# Altium PCB WUT-4-3-3.PcbDoc (part 4 of 4)
Units mil, origin at the board's own origin, x right, y up, seen from the top; angles counter-clockwise.
Board outline 3346.46 x 2204.72 mil, 4 copper layers (Top Layer, GND Plane, 3V3 Plane, Bottom Layer), stack 30.635 mil thick; 241 components, 333 nets, 1194 pads, 457 vias.
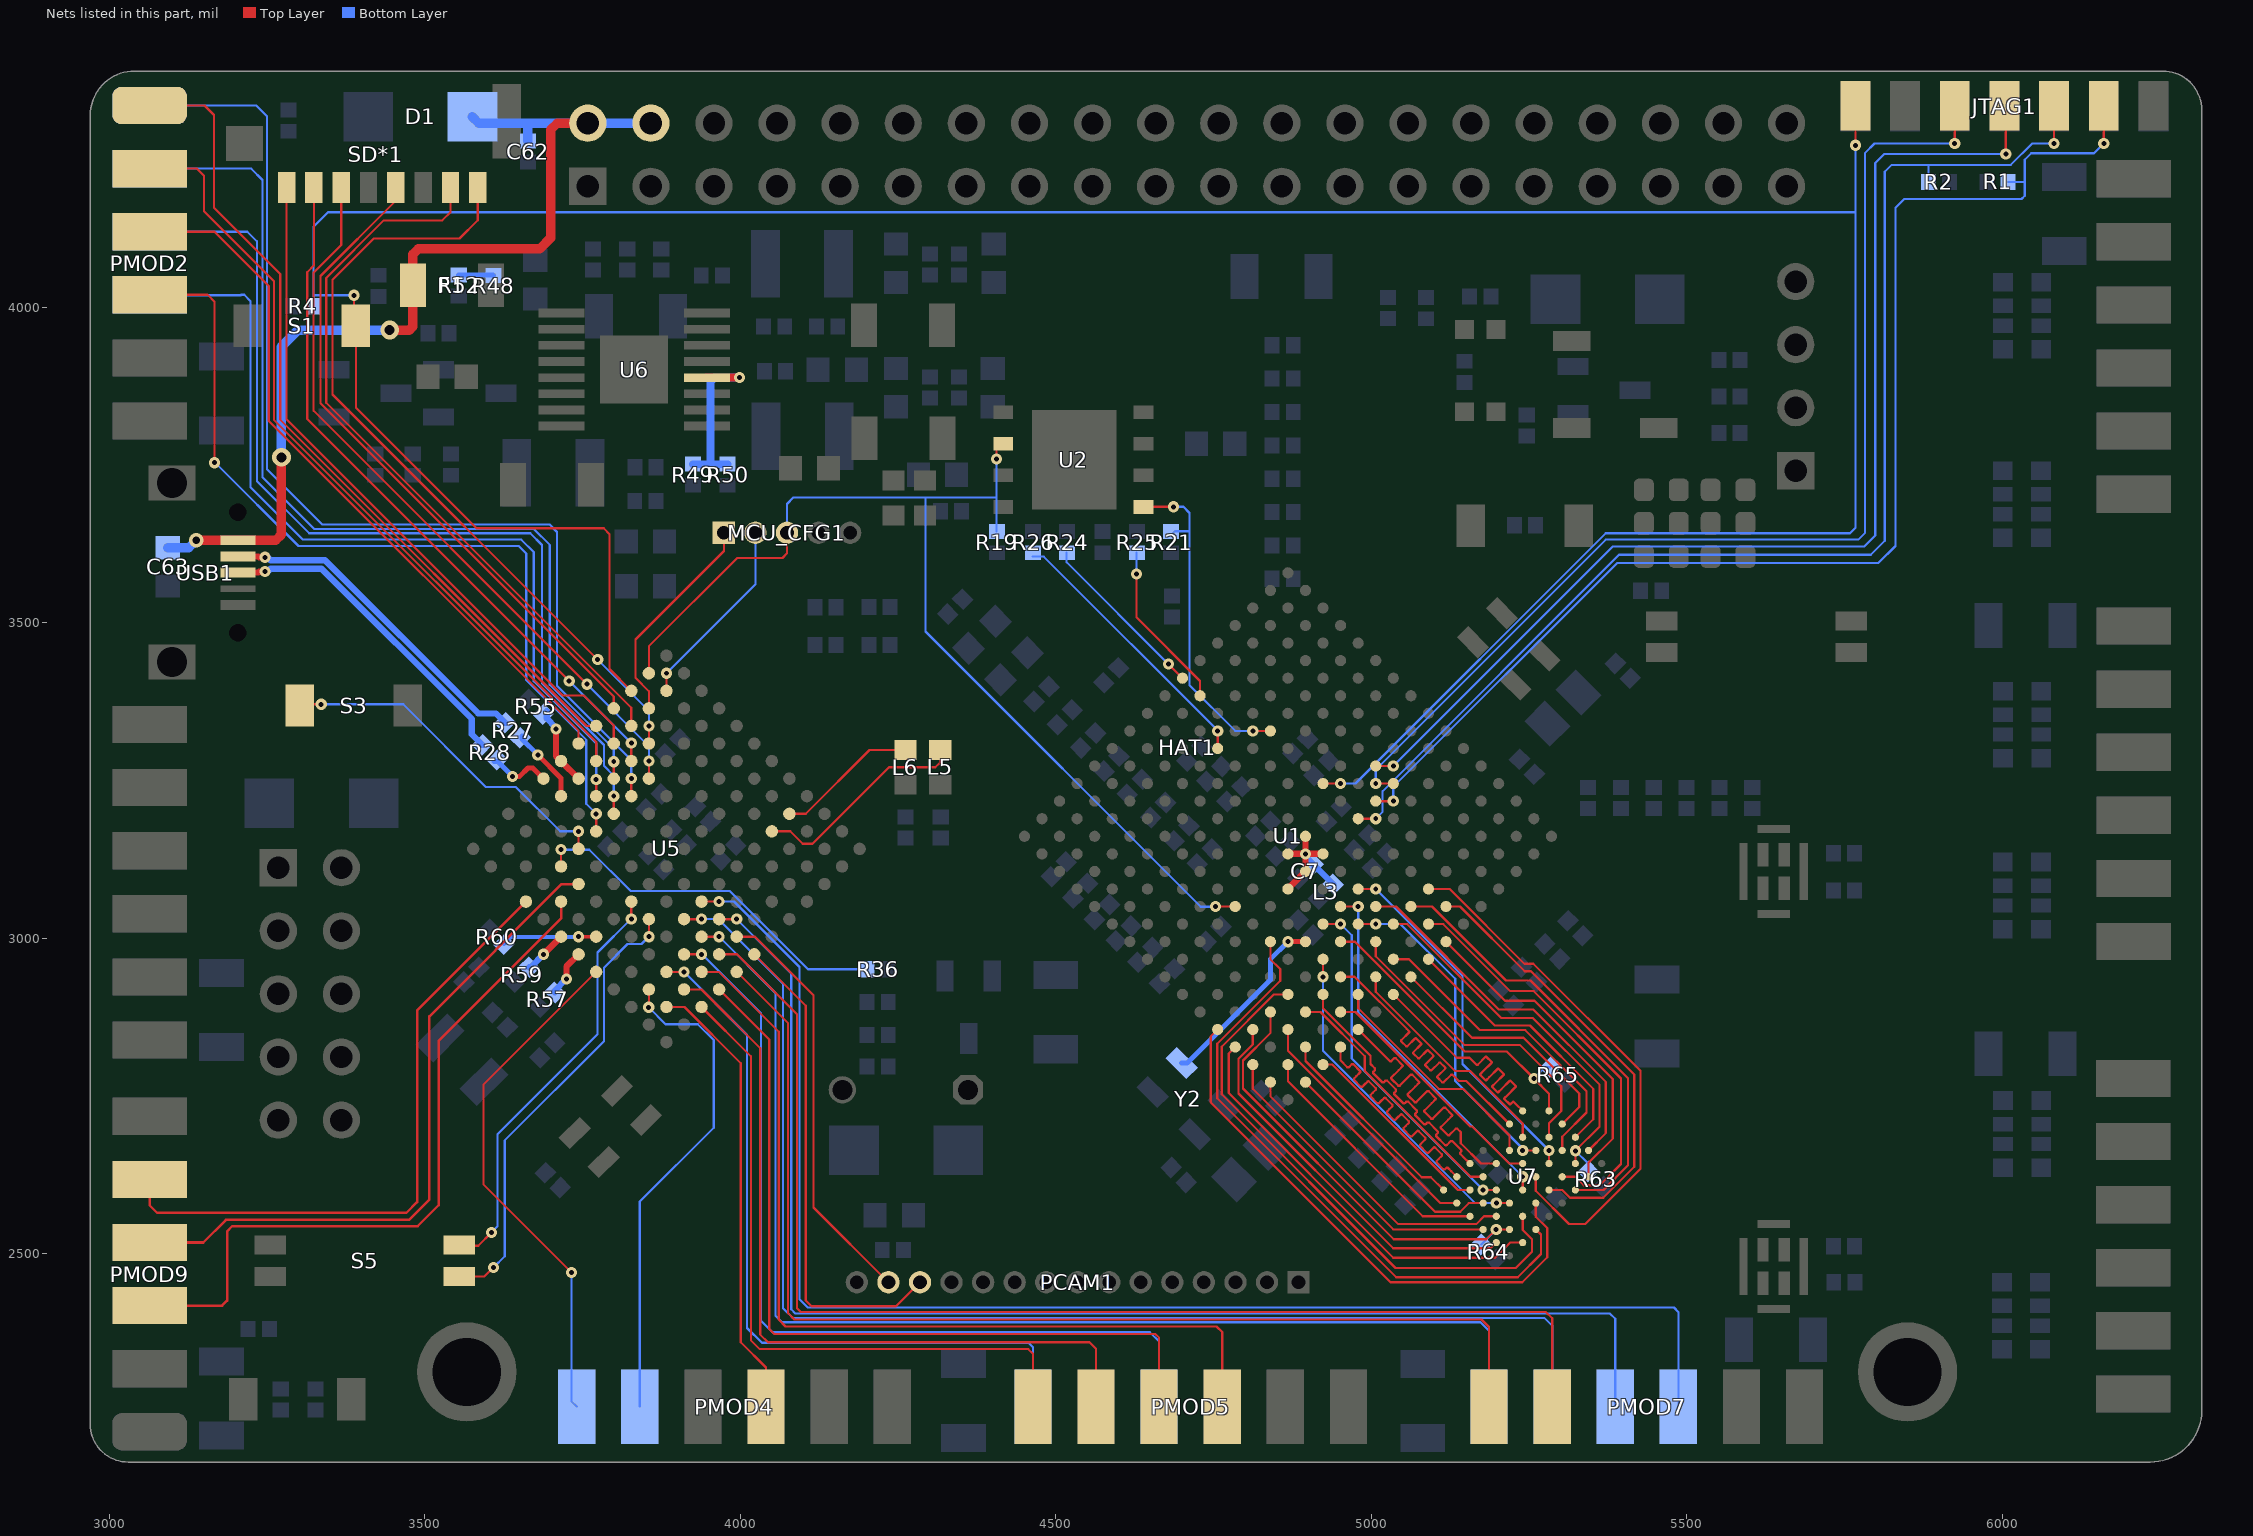
[diagram p6: the nets of this part, all layers, seen from the top]

## Via types
v1: diameter 17.72, hole 7.87, Top Layer to Bottom Layer, tented both sides, 363 vias
v2: diameter 29.53, hole 15.75, Top Layer to Bottom Layer, tented both sides, 51 vias
v3: diameter 19.68, hole 7.87, Top Layer to Bottom Layer, 16 vias
v4: diameter 23.62, hole 11.81, Top Layer to Bottom Layer, tented both sides, 11 vias
v5: diameter 19.68, hole 7.87, Top Layer to Bottom Layer, tented both sides, 9 vias
v6: diameter 25.59, hole 13.78, Top Layer to Bottom Layer, tented both sides, 3 vias
v7: diameter 25.59, hole 11.81, Top Layer to Bottom Layer, tented both sides, 2 vias
v8: diameter 21.65, hole 11.81, Top Layer to Bottom Layer, tented both sides, 1 vias
v9: diameter 27.56, hole 13.78, Top Layer to Bottom Layer, tented both sides, 1 vias

## Nets (pads, with @x,y where several pads share a name; then routed paths per layer and width w, separated by ;. In a path a pad name is that pad's centre, name@x,y a point inside that pad or via, vN(x,y) a via of type N, cw(c..) or ccw(c..) an arc to the next point about the centre after c; other vN are vias at no path point) (continued)
NetR48_1: R48.1 R52.2 | length 55.4
  Bottom Layer w8: R52.2@3554,4051.73 3608,4051.73 R48.1@3609,4050.73
NetR55_2: R55.2 U5.G1 U5.G2 | length 127.8
  Top Layer w10: v1(3708,3332) 3708,3289.16 U5.G1@3716.13,3281.03 U5.G2@3743.97,3253.19
  Bottom Layer w10: R55.2@3693.34,3360.01 3693.34,3348.66 3708,3334 v1(3708,3332)
PGOOD: R49.1 R50.1 U6.12 | length 286
  Top Layer w12: U6.12@3947.16,3888.79 3947.37,3889 v1(3999,3889)
  Bottom Layer w12: R49.1@3925.17,3751.73 3953,3751.73 ; R50.1@3980.17,3751.73 3953,3751.73 ; v1(3999,3889) 3960.12,3889 3953,3881.88 3953,3751.73
PROG: JTAG1.14 R4.1 S1.2 U1.L9 U5.C1 | length 5251.1
  Top Layer w3.5: v1(3388,4019.26) 3388,3974 S1.2@3391,3971 3391,3841 3582,3650 3783.73,3650 3793,3640.73 3793,3426.87 U5.C1@3827.48,3392.39 ; U1.L9@4923.84,3245.36 v1(4951.68,3245.35) ; v1(5767.56,4257) JTAG1.14@5767.56,4319.54
  Bottom Layer w3.5: R4.1@3323.73,4002 3323.73,4020 ; v1(3388,4019.26) 3324.47,4019.26 3323.73,4020 ; v1(4951.68,3245.35) 4975.38,3245.35 5372.03,3642 5759,3642 5767.56,3650.56 5767.56,4150.92 ; v1(5767.56,4257) 5767.56,4151.44 5767.04,4150.92 3346.89,4150.92 3323.73,4127.76 3323.73,4020
PTA4: R60.1 U5.L7 | length 150.9
  Top Layer w4: v1@3744.48,3002 v1@3745.13,3002.64
  Top Layer w6: v1@3745.13,3002.64 U5.L7@3771.81,3002.64
  Bottom Layer w6: R60.1@3625.83,2990.81 3637.02,3002 v1@3744.48,3002
  other v1: 3743.97,3002.64
PTA5: PMOD4.12 U5.M8 | length 824.3
  Top Layer w3.5: v1(3732.5,2470.5) 3732.5,2471 3593,2610.5 3593,2768.16 U5.M8@3771.81,2946.97
  Bottom Layer w3.5: v1(3732.5,2470.5) 3732.5,2266.5 PMOD4.12@3741,2258
PTA6: S5.2 U5.J7 | length 678.7
  Top Layer w3.5: S5.2@3555,2506 3562,2513 3585,2513 v1(3606,2534) ; v1@3827.48,3031 U5.J7@3827.48,3058.32
  Bottom Layer w3.5: v1(3606,2534) 3615.56,2543.56 3615.56,2689.47 3774,2847.91 3774,2977.52 v1@3827.48,3031
  other v1: 3827.48,3030.48
PTA7: S5.1 U5.J8 | length 730.3
  Top Layer w3.5: S5.1@3555,2456 3563,2464 3594.5,2464 v1(3609,2478.5) ; v1(3855.32,3002.64) U5.J8@3855.32,3030.48
  Bottom Layer w3.5: v1(3609,2478.5) 3626.88,2496.38 3626.88,2679.88 3784.04,2837.04 3784.04,2953.43 3821.6,2991 3843.68,2991 v1(3855.32,3002.64)
PTA14: PMOD4.11 U5.L10 | length 781.9
  Top Layer w3.5: v1@3855.32,2891.09 U5.L10@3855.32,2919.13
  Bottom Layer w3.5: PMOD4.11@3841,2258 3841,2583 3958,2700 3958,2838.91 3932.91,2864 3881.77,2864 v1(3855,2890.77)
PTA15: PMOD4.3 U5.L11 | length 715.4
  Top Layer w3.5: U5.L11@3883.16,2891.29 3911.71,2891.29 4001,2802 4001,2360 4041,2320 PMOD4.3@4041,2258
PTA16: PMOD5.12 U5.K10 | length 1193.4
  Top Layer w3.5: U5.K10@3883.16,2946.97 v1(3911,2946.97)
  Bottom Layer w3.5: v1(3911,2946.97) 4011,2846.97 4011,2382.52 4034.52,2359 4457,2359 4464,2352 PMOD5.12@4464,2258
PTA17: PMOD5.5 U5.K11 | length 1246.5
  Top Layer w3.5: U5.K11@3911,2919.13 3938.87,2919.13 4032,2826 4032,2372 4044,2360 4553.7,2360 4564,2349.7 PMOD5.5@4564,2258
PTA24: PMOD5.6 U5.K12 | length 1100.1
  Top Layer w3.5: U5.K12@3938.84,2891.29 4017,2813.13 4017,2363 4031,2349 4456.5,2349 4464,2341.5 PMOD5.6@4464,2258
PTA25: PMOD5.4 U5.J12 | length 1303.8
  Top Layer w3.5: U5.J12@3966.68,2919.13 4046,2839.81 4046,2381 4054,2373 4658,2373 4664,2367 PMOD5.4@4664,2258
PTA26: PMOD5.3 U5.J11 | length 1446.9
  Top Layer w3.5: U5.J11@3938.84,2946.97 3966.26,2946.97 4061,2852.22 4061,2396 4072,2385 4755,2385 4764,2376 PMOD5.3@4764,2258
PTA27: PMOD5.10 U5.J10 | length 1395.3
  Top Layer w3.5: U5.J10@3911,2974.81 v1@3938.14,2974.81
  Bottom Layer w3.5: v1@3938.84,2975.5 4033,2881.34 4033,2394 4051.16,2375.84 4649.16,2375.84 4664,2361 PMOD5.10@4664,2258
  other v1: 3938.84,2974.81
PTA28: PMOD7.6 U5.H12 | length 1820.8
  Top Layer w3.5: U5.H12@3994.52,2946.97 4076,2865.48 4076,2406 4086,2396 5175,2396 5187,2384 PMOD7.6@5187,2258
PTA29: PMOD7.5 U5.H11 | length 1972.1
  Top Layer w3.5: U5.H11@3966.68,2974.81 3994.94,2974.81 4090,2879.75 4090,2413.9 4095.9,2408 5277,2408 5287,2398 PMOD7.5@5287,2258
PTB0: PMOD7.12 U5.H10 | length 1926.4
  Top Layer w3.5: U5.H10@3938.84,3002.64 v1(3966.68,3002.64)
  Bottom Layer w3.5: v1(3966.68,3002.64) 4056,2913.32 4056,2402 4066.42,2391.58 5173.42,2391.58 5187,2378 PMOD7.12@5187,2258
PTB1: PMOD7.11 U5.H9 | length 2072
  Top Layer w3.5: U5.H9@3911,3030.48 v1@3938.34,3030.48
  Bottom Layer w3.5: v1@3938.45,3030.59 3965.41,3030.59 4068,2928 4068,2414 4083.42,2398.58 5274.42,2398.58 5287,2386 PMOD7.11@5287,2258
  other v1: 3938.84,3030.48
PTB2: PCAM1.13 U5.G12 | length 783.2
  Top Layer w3.5: U5.G12@4022.36,2974.81 4104,2893.16 4104,2426 4113.16,2416.84 4246.84,2416.84 PCAM1.13@4285,2455
PTB3: PCAM1.14 U5.G11 | length 664.1
  Top Layer w3.5: U5.G11@3994.52,3002.64 4023.36,3002.64 4116.3,2909.7 4116.3,2573.57 PCAM1.14@4234.86,2455
PTB4: PMOD7.10 U5.G10 | length 2133.4
  Top Layer w3.5: U5.G10@3966.68,3030.48 v1(3994.52,3030.48)
  Bottom Layer w3.5: v1(3994.52,3030.48) 4081,2944 4081,2412 4087.42,2405.58 5378.42,2405.58 5387,2397 PMOD7.10@5387,2258
PTB5: PMOD7.9 U5.G9 | length 2276.1
  Top Layer w3.5: U5.G9@3938.84,3058.32 v1(3966.68,3058.32)
  Bottom Layer w3.5: v1(3966.68,3058.32) 3990.38,3058.32 4094,2954.7 4094,2428 4107,2415 5480,2415 5487,2408 PMOD7.9@5487,2258
PTD8: L5.1 U5.C9 | length 348.1
  Top Layer w3.5: U5.C9@4050.19,3169.68 4079.32,3169.68 4099,3150 4114.63,3150 4235.81,3271.17 4309.36,3271.17 4317,3278.81 L5.1@4317,3298.56
PTD9: L6.1 U5.B9 | length 213.8
  Top Layer w3.5: U5.B9@4078.03,3197.52 4103.84,3197.52 4204.88,3298.56 L6.1@4250,3298.56
PTE0: SD*1.8 U5.D3 | length 1263.8
  Top Layer w3.5: SD*1.8@3584.22,4190 3584.22,4138.22 3555.17,4109.17 3419.17,4109.17 3354,4044 3354,3862.06 v1(3774.22,3441.84) ; U5.D3@3855.32,3308.87 v1(3855.32,3336.71)
  Bottom Layer w3.5: v1(3774.22,3441.84) 3855.32,3360.74 v1(3855.32,3336.71)
PTE1: SD*1.7 U5.D2 | length 1189.5
  Top Layer w3.5: SD*1.7@3540.92,4190 3540.92,4150.92 3528,4138 3435.21,4138 3344,4046.79 3344,3849.06 3827.48,3365.58 U5.D2@3827.48,3336.71
PTE2: SD*1.5 U5.D1 | length 1067.3
  Top Layer w3.5: SD*1.5@3454.3,4190 3454.3,4169.3 3335,4050 3335,3848.16 3799.64,3383.52 U5.D1@3799.64,3364.55
PTE3: SD*1.3 U5.E4 | length 1175
  Top Layer w3.5: SD*1.3@3367.69,4190 3367.69,4099.12 3324,4055.43 3324,3836.06 v1(3757.22,3402.84) ; U5.E4@3855.32,3253.19 v1(3855.32,3281.03)
  Bottom Layer w3.5: v1(3757.22,3402.84) 3855.32,3304.74 v1(3855.32,3281.03)
PTE4: SD*1.2 U5.E3 | length 1126
  Top Layer w3.5: SD*1.2@3324.38,4190 3324.38,4066.38 3314,4056 3314,3823.06 v1(3729.06,3408) ; U5.E3@3827.48,3281.03 v1(3827.48,3309.58)
  Bottom Layer w3.5: v1(3729.06,3408) v1(3827.48,3309.58)
PTE5: SD*1.1 U5.E2 | length 1115.3
  Top Layer w3.5: SD*1.1@3281.07,4190 3281.07,3822.93 3719,3385 3752,3385 3799.64,3337.36 U5.E2@3799.64,3308.87
PTE6: PMOD2.6 U5.E1 | length 1336.4
  Top Layer w3.5: PMOD2.6@3064,4320 3151,4320 3166,4305 3166,4158 3271,4053 3271,3822.23 3756.52,3336.71 U5.E1@3771.81,3336.71
PTE7: PMOD2.12 U5.F4 | length 1721.1
  Top Layer w3.5: U5.F4@3827.48,3225.36 v1(3827.48,3253.19)
  Bottom Layer w3.5: PMOD2.12@3064,4320 3233,4320 3250,4303 3250,3743.42 3337.42,3656 3698,3656 3709.73,3644.27 3709.73,3400.51 3827.48,3282.76 v1(3827.48,3253.19)
PTE8: PMOD2.11 U5.F3 | length 1569.7
  Top Layer w3.5: U5.F3@3799.64,3253.19 v1(3799.64,3280.01)
  Bottom Layer w3.5: PMOD2.11@3064,4220 3225,4220 3243,4202 3243,3731 3325,3649 3673,3649 3698.31,3623.69 3698.31,3402.03 3799.64,3300.69 v1(3799.64,3280.01)
PTE9: PMOD2.5 U5.F2 | length 1276.1
  Top Layer w3.5: PMOD2.5@3064,4220 3139,4220 3150,4209 3150,4153 3261,4042 3261,3821.98 3771.81,3311.17 U5.F2@3771.81,3281.03
PTE10: PMOD2.4 U5.F1 | length 1153.1
  Top Layer w3.5: PMOD2.4@3064,4120 3167,4120 3253,4034 3253,3820.08 3743.97,3329.11 U5.F1@3743.97,3308.87
PTE11: PMOD2.10 U5.G4 | length 1523.2
  Top Layer w3.5: U5.G4@3799.64,3197.52 v1(3799.64,3225.36)
  Bottom Layer w3.5: PMOD2.10@3064,4120 3219,4120 3234,4105 3234,3725 3317,3642 3667.37,3642 3686,3623.37 3686,3404.44 3784.04,3306.4 3784.04,3273.54 3799.64,3257.93 v1(3799.64,3225.36)
PTE12: PMOD2.9 U5.G3 | length 1379
  Top Layer w3.5: U5.G3@3771.81,3225.36 v1(3771.81,3251.69)
  Bottom Layer w3.5: PMOD2.9@3064,4020 3064.51,4019.49 3208.91,4019.49 3209.43,4020 3214,4020 3224,4010 3224,3715 3307,3632 3653.27,3632 3673,3612.27 3673,3407.54 3771.81,3308.73 v1(3771.81,3251.69)
PTE24: PMOD9.5 U5.M4 | length 1024.6
  Top Layer w4: PMOD9.5@3064,2618 3064,2577 3075.86,2565.14 3471.14,2565.14 3488,2582 3488,2885.87 U5.M4@3660.45,3058.32
PTE25: PMOD9.4 U5.K5 | length 1085.2
  Top Layer w4: PMOD9.4@3064,2518 3149,2518 3185,2554 3475,2554 3507.34,2586.34 3507.34,2876.34 3717.16,3086.16 U5.K5@3743.97,3086.16
PTE26: R36.1 U5.K4 | length 590.3
  Top Layer w3.5: U5.K4@3716.13,3114 v1(3716.13,3140.65)
  Bottom Layer w3.5: v1(3716.13,3140.65) 3761.04,3140.65 3826.68,3075 3983.6,3075 4107.6,2951 R36.1@4201.27,2951
PTE27: S3.1 U5.J4 | length 554.3
  Top Layer w3.5: S3.1@3301.74,3369 3303.74,3371 v1(3336,3371) ; U5.J4@3743.97,3141.84 v1(3743.97,3169.68)
  Bottom Layer w3.5: v1(3336,3371) 3466,3371 3597,3240 3644.36,3240 3714.68,3169.68 v1(3743.97,3169.68)
PTE28: PMOD2.3 U5.H4 | length 1402.4
  Top Layer w3.5: PMOD2.3@3064,4020 3156,4020 3167,4009 v1(3167,3754) ; U5.H4@3771.81,3169.68 v1(3771.81,3197.52)
  Bottom Layer w3.5: v1(3167,3754) 3168,3754 3300,3622 3649,3622 3661,3610 3661,3409.64 3756,3314.64 3756,3213.32 v1(3771.81,3197.52)
QSPI_CS: R21.1 U1.L12 U2.1 | length 540.8
  Top Layer w3.5: U2.1@4639.46,3683.84 4639.62,3684 v1(4687,3684) ; v1(4812.48,3328.87) U1.L12@4840.32,3328.87
  Bottom Layer w3.5: R21.1@4682.22,3638.57 4689.01,3645.35 4712.23,3645.35 ; v1(4687,3684) 4702.52,3684 4712.23,3674.28 4712.23,3645.35 ; v1(4812.48,3328.87) 4784.64,3328.87 4712.23,3401.28 4712.23,3645.35
QSPI_DQ0: R26.2 U1.J13 | length 435.9
  Top Layer w3.5: U1.J13@4756.81,3301.03 v1(4756.81,3328.87)
  Bottom Layer w3.5: R26.2@4463.4,3605.11 4481.04,3605.11 4756.81,3329.34 v1(4756.81,3328.87)
QSPI_DQ2: R25.1 U1.K15 | length 268.4
  Top Layer w3.5: v1(4628.4,3577.66) 4628.4,3508.66 4728.97,3408.1 U1.K15@4728.97,3384.55
  Bottom Layer w3.5: v1(4628.4,3577.66) R25.1@4628.4,3611.27
QSPI_DQ3: R24.2 U1.K16 | length 275
  Top Layer w3.5: v1(4678.68,3434.84) U1.K16@4701.13,3412.39
  Bottom Layer w3.5: R24.2@4517.4,3611.27 4517.4,3596.12 v1(4678.68,3434.84)
QSPI_SCK: MCU_CFG1.3 R19.2 U1.E8 U2.6 U5.B1 | length 1755.2
  Top Layer w3.5: U5.B1@3855.32,3420.23 3855.32,3462.94 3995.39,3603 4067,3603 4074.22,3610.22 MCU_CFG1.3@4074.22,3642.84 ; v1(4406.22,3759.84) U2.6@4406.22,3777.84 ; v1@4753,3050 v1(4753.48,3050.48) U1.E8@4784.64,3050.48
  Bottom Layer w3.5: MCU_CFG1.3@4074.22,3642.84 4074.22,3688.59 4084.64,3699 4293.35,3699 ; R19.2@4406.22,3644.73 4406.22,3699.2 ; v1(4406.22,3759.84) 4406.22,3699.2 ; v1@4753,3050 4730,3050 4293.61,3486.39 4293.61,3698.74 4293.35,3699 ; 4293.35,3699 4406.02,3699 4406.22,3699.2
RTC_WAKE: PMOD9.3 U5.L5 | length 1149.9
  Top Layer w4: PMOD9.3@3064,2418 3178.75,2418 3186.75,2426 3186.75,2535.75 3195,2544 3489,2544 3522,2577 3522,2837.68 3716.13,3031.81 U5.L5@3716.13,3058.32
RTCX1: R59.1 U5.M6 | length 70.6
  Top Layer w10: v1(3688.29,2974.81) U5.M6@3716.13,3002.64
  Bottom Layer w10: R59.1@3665.51,2954.43 3667.91,2954.43 v1(3688.29,2974.81)
RTCX2: R57.1 U5.M7 | length 76.1
  Top Layer w10: v1(3724.66,2935.84) 3724.66,2955.5 U5.M7@3743.97,2974.81
  Bottom Layer w10: R57.1@3706.06,2914.43 3706.06,2917.23 v1(3724.66,2935.84)
SPI2_PCS0: MCU_CFG1.2 U5.B2 | length 308.9
  Top Layer w3.5: U5.B2@3883.16,3392.39 v1(3883.16,3420.23)
  Bottom Layer w3.5: v1(3883.16,3420.23) 4024.22,3561.29 MCU_CFG1.2@4024.22,3642.84
SPI2_SIN: MCU_CFG1.1 U5.C2 | length 345.2
  Top Layer w3.5: U5.C2@3855.32,3364.55 3855.32,3391.74 3834,3413.06 3834,3473.61 3974.22,3613.84 MCU_CFG1.1@3974.22,3642.84
SRAM-A0: U1.H1 U7.A3 | length 403.1
  Top Layer w3.5: U1.H1@5063.03,2939.13 5159.8,2842.36 5241.66,2842.36 5329.9,2754.12 5329.9,2732.76 U7.A3@5302.86,2705.72
SRAM-A1: U1.J1 U7.A4 | length 434.9
  Top Layer w3.5: U1.J1@5090.87,2966.97 5195.96,2861.88 5251.87,2861.88 5352.22,2761.53 5352.22,2713.32 U7.A4@5323.74,2684.84
SRAM-A2: U1.J4 U7.A5 | length 599.7
  Top Layer w3.5: U1.J4@5007.36,3050.48 5039.33,3050.48 5202.73,2887.08 5257.51,2887.08 5372,2772.58 5372,2691.34 U7.A5@5344.62,2663.96
SRAM-A3: U1.H3 U7.B3 | length 491.2
  Top Layer w3.5: U1.H3@5007.36,2994.81 5007.36,2971.74 5148.25,2830.84 5236.22,2830.84 5301.22,2765.84 5301.22,2726.34 5281.98,2707.1 U7.B3@5281.98,2684.84
SRAM-A4: U1.H2 U7.B4 | length 502.6
  Top Layer w3.5: U1.H2@5035.19,2966.97 5060.1,2966.97 5172.45,2854.61 5244.45,2854.61 5341.42,2757.64 5341.42,2724.04 5302.86,2685.48 U7.B4@5302.86,2663.96
SRAM-A5: U1.H4 U7.C3 | length 526
  Top Layer w3.5: U1.H4@4979.52,3022.64 v1(5007.35,3022.64) ; v1(5240.22,2663.96) U7.C3@5261.1,2663.96
  Bottom Layer w3.5: v1(5007.35,3022.64) 5046.51,3022.64 5133.22,2935.93 5133.22,2773.85 5241.63,2665.44 v1@5241.63,2665.37
SRAM-A6: U1.J5 U7.C4 | length 576.8
  Top Layer w3.5: U1.J5@4979.52,3078.32 v1(5007.36,3078.32) ; U7.C4@5281.98,2643.08 v1(5281.98,2663.96)
  Bottom Layer w3.5: v1(5007.36,3078.32) 5145,2940.68 5145,2800.94 v1(5281.98,2663.96)
SRAM-A7: U1.L3 U7.D4 | length 857
  Top Layer w3.5: U1.L3@5090.87,3078.32 5124.42,3078.32 5242.91,2959.84 5257.22,2959.84 5427,2790.06 5427,2635 5339.23,2547.23 5313.76,2547.23 5261.1,2599.89 U7.D4@5261.1,2622.2
SRAM-A8: U1.C3 U7.H2 | length 401.3
  Top Layer w3.5: U1.C3@4868.16,2855.61 4868.16,2822.14 5109.86,2580.44 U7.H2@5135.83,2580.44
SRAM-A9: U1.B2 U7.H3 | length 403.7
  Top Layer w3.5: U1.B2@4868.16,2799.93 4868.16,2773.38 5081.98,2559.56 U7.H3@5156.71,2559.56
SRAM-A10: U1.A3 U7.H4 | length 494.1
  Top Layer w3.5: U1.A3@4812.48,2799.93 4812.48,2761.52 5035.16,2538.84 U7.H4@5175.95,2538.84
SRAM-A11: U1.B4 U7.H5 | length 624.6
  Top Layer w3.5: U1.B4@4812.48,2855.61 4812.48,2831.91 4789.88,2809.3 4789.88,2754.12 5035,2509 5189.42,2509 U7.H5@5198.34,2517.93
SRAM-A12: U1.B1 U7.G3 | length 372.2
  Top Layer w3.5: U1.B1@4896,2772.09 5101.26,2566.84 5141.22,2566.84 5154.83,2580.44 U7.G3@5177.59,2580.44
SRAM-A13: U1.A2 U7.G4 | length 469.6
  Top Layer w3.5: U1.A2@4840.32,2772.09 4840.32,2749.68 5042.89,2547.11 5166.49,2547.11 5178.95,2559.56 U7.G4@5198.47,2559.56
SRAM-A14: U1.G5 U7.F3 | length 563.6
  Top Layer w3.5: U1.G5@4923.84,3022.64 v1(4951.68,3022.64) ; v1(5177.59,2601.32) U7.F3@5198.47,2601.32
  Bottom Layer w3.5: v1(4951.68,3022.64) 4969.22,3005.1 4969.22,2809.68 v1(5177.59,2601.32)
SRAM-A15: U1.F4 U7.F4 | length 540.7
  Top Layer w3.5: v1(4923.84,2939.13) U1.F4@4923.84,2966.97 ; v1(5198.47,2580.44) U7.F4@5219.34,2580.44
  Bottom Layer w3.5: v1(4923.84,2939.13) 4923.84,2821.71 5165.1,2580.44 v1(5198.47,2580.44)
SRAM-A16: U1.H5 U7.E4 | length 585
  Top Layer w3.5: U1.H5@4951.68,3050.48 v1(4979.52,3050.48) ; U7.E4@5240.22,2601.32 v1(5240.22,2622.2)
  Bottom Layer w3.5: v1(4979.52,3050.48) 4979.52,2882.91 v1(5240.22,2622.2)
SRAM-A17: U1.E2 U7.D3 | length 389.5
  Top Layer w3.5: U1.E2@4951.68,2883.45 4975.38,2883.45 5156.99,2701.84 5160.23,2701.84 5218.99,2643.08 U7.D3@5240.22,2643.08 U7.D3@5239.24,2644.07
SRAM-A18: U1.C2 U7.H1 | length 325.7
  Top Layer w3.5: U1.C2@4896,2827.77 4896,2805.7 5080.14,2621.56 5094.71,2621.56 U7.H1@5114.95,2601.32
SRAM-A19: U1.C1 U7.G2 | length 315.1
  Top Layer w3.5: U1.C1@4923.84,2799.93 4938.96,2799.93 5137.57,2601.32 U7.G2@5156.71,2601.32
SRAM-DQ0: U1.K1 U7.B6 | length 525.4
  Top Layer w3.5: U1.K1@5118.71,2994.81 5212.21,2901.31 5258.99,2901.31 5383,2777.3 5383,2682.66 5344.62,2644.27 U7.B6@5344.62,2622.2
SRAM-DQ1: U1.K2 U7.C5 | length 654.8
  Top Layer w3.5: U1.K2@5090.87,3022.64 5114.42,3022.64 5220.66,2916.41 5257.66,2916.41 5396.13,2777.93 5396.13,2642.58 5362.39,2608.84 5336.99,2608.84 5323.63,2622.2 U7.C5@5302.86,2622.2
SRAM-DQ2: U1.K3 U7.C6 | length 694.6
  Top Layer w3.5: U1.K3@5063.03,3050.48 5096.58,3050.48 5213.95,2933.11 5252.66,2933.11 5407,2778.77 5407,2640 5368.32,2601.32 U7.C6@5323.74,2601.32
SRAM-DQ3: U1.L2 U7.D5 | length 715.4
  Top Layer w3.5: U1.L2@5118.71,3050.48 5140.81,3050.48 5243.45,2947.84 5253.53,2947.84 5417,2784.37 5417,2638 5367.84,2588.84 5315.39,2588.84 5302.9,2601.32 U7.D5@5281.98,2601.32
SRAM-DQ4: U1.A5 U7.E5 | length 881.3
  Top Layer w3.5: U1.A5@4756.81,2855.61 4745.9,2844.71 4745.9,2739.81 5030.71,2455 5239.5,2455 5279.22,2494.73 5279.22,2540.84 5261.1,2558.96 U7.E5@5261.1,2580.44
SRAM-DQ5: U1.D4 U7.F5 | length 893.6
  Top Layer w3.5: U1.D4@4868.16,2911.29 4846.09,2911.29 4763.22,2828.42 4763.22,2753.14 5038.72,2477.64 5229.27,2477.64 5255.22,2503.59 5255.22,2522.84 5240.22,2537.84 U7.F5@5240.22,2559.56
SRAM-DQ6: U1.E6 U7.F6 | length 983.9
  Top Layer w3.5: U1.E6@4840.32,2994.81 4840.32,2966.97 4855.93,2951.36 4855.93,2932.66 4756.22,2832.95 4756.22,2746.78 5040,2463 5232.53,2463 5269.22,2499.7 5269.22,2530.56 U7.F6@5261.1,2538.68
SRAM-DQ7: U1.A4 U7.G6 | length 661
  Top Layer w3.5: U1.A4@4784.64,2827.77 4774.3,2817.42 4774.3,2754.93 5035.22,2494 5196.39,2494 5220.19,2517.81 U7.G6@5240.22,2517.81
SRAM-DQ8: U1.G1 U7.B1 | length 436.5
  Top Layer w3.5: U1.G1@5035.19,2911.29 5135.64,2810.84 5155.98,2810.84 5157.91,2808.91 5158.41,2808.42 5167,2799.82 ccw(c5167.95,2800.78) 5168.91,2799.82 5181.14,2812.06 cw(c5182.09,2811.1) 5183.05,2812.06 5190.68,2804.42 cw(c5189.73,2803.47) 5190.68,2802.51 5177.5,2789.32 5173.37,2785.2 ccw(c5174.32,2784.24) 5173.37,2783.29 5181.01,2775.65 ccw(c5181.96,2776.6) 5182.92,2775.65 5187.04,2779.78 5200.23,2792.97 cw(c5201.19,2792.01) 5202.14,2792.97 5209.78,2785.33 cw(c5208.82,2784.37) 5209.78,2783.42 5196.59,2770.23 5192.46,2766.1 ccw(c5193.42,2765.15) 5192.46,2764.2 5200.1,2756.56 ccw(c5201.05,2757.51) 5202.01,2756.56 5206.14,2760.69 5219.32,2773.87 cw(c5220.28,2772.92) 5221.23,2773.87 5228.87,2766.24 cw(c5227.91,2765.28) 5228.87,2764.33 5215.68,2751.14 5211.55,2747.01 ccw(c5212.51,2746.06) 5211.55,2745.1 5219.19,2737.47 ccw(c5220.14,2738.42) 5221.1,2737.47 5224.27,2740.64 cw(c5225.23,2739.68) 5226.18,2740.64 5230,2736.82 U7.B1@5240.22,2726.6
SRAM-DQ9: U1.F3 U7.C1 | length 515.1
  Top Layer w3.5: U1.F3@4951.68,2939.13 4973.75,2939.13 5056.3,2856.58 5060.12,2852.76 cw(c5059.16,2851.81) 5060.12,2850.85 5047.88,2838.62 ccw(c5048.84,2837.67) 5047.88,2836.71 5055.52,2829.07 ccw(c5056.47,2830.03) 5057.43,2829.07 5069.66,2841.31 cw(c5070.62,2840.35) 5071.57,2841.31 5079.21,2833.67 cw(c5078.25,2832.72) 5079.21,2831.76 5066.98,2819.53 ccw(c5067.93,2818.57) 5066.98,2817.62 5074.61,2809.98 ccw(c5075.57,2810.94) 5076.52,2809.98 5088.75,2822.22 cw(c5089.71,2821.26) 5090.66,2822.22 5098.3,2814.58 cw(c5097.35,2813.62) 5098.3,2812.67 5086.07,2800.44 ccw(c5087.02,2799.48) 5086.07,2798.53 5093.7,2790.89 ccw(c5094.66,2791.85) 5095.61,2790.89 5107.85,2803.12 cw(c5108.8,2802.17) 5109.76,2803.12 5117.39,2795.49 cw(c5116.44,2794.53) 5117.39,2793.58 5105.16,2781.35 ccw(c5106.11,2780.39) 5105.16,2779.44 5112.8,2771.8 ccw(c5113.75,2772.75) 5114.7,2771.8 5126.94,2784.03 cw(c5127.89,2783.08) 5128.85,2784.03 5137.44,2775.44 5138.84,2774.03 5151.03,2774.03 U7.C1@5219.34,2705.72
SRAM-DQ10: U1.G2 U7.C2 | length 364.8
  Top Layer w3.5: U1.G2@5007.36,2939.13 5007.36,2915.42 5132.78,2790 5156.76,2790 5240.22,2706.54 U7.C2@5240.22,2684.84
SRAM-DQ11: U1.F2 U7.D2 | length 369.1
  Top Layer w3.5: U1.F2@4979.52,2911.29 4979.52,2889.22 5107.22,2761.52 5145.56,2761.52 5219.34,2687.73 U7.D2@5219.34,2663.96
SRAM-DQ12: U1.E1 U7.E2 | length 525.1
  Top Layer w3.5: U1.E1@4979.52,2855.61 5029.56,2805.56 ccw(c5030.81,2806.81) 5032.05,2805.56 5036.4,2809.92 cw(c5037.71,2808.61) 5039.02,2809.92 5049.48,2799.45 cw(c5048.18,2798.14) 5049.48,2796.83 5043.89,2791.24 5032.48,2779.83 ccw(c5033.78,2778.52) 5032.48,2777.21 5042.94,2766.74 ccw(c5044.25,2768.05) 5045.56,2766.74 5056.97,2778.16 5062.57,2783.75 cw(c5063.87,2782.45) 5065.18,2783.75 5075.65,2773.29 cw(c5074.34,2771.98) 5075.65,2770.67 5070.05,2765.08 5058.64,2753.66 ccw(c5059.95,2752.35) 5058.64,2751.05 5069.1,2740.58 ccw(c5070.41,2741.89) 5071.72,2740.58 5083.13,2751.99 5088.73,2757.59 cw(c5090.04,2756.28) 5091.35,2757.59 5101.81,2747.13 cw(c5100.5,2745.82) 5101.81,2744.51 5096.21,2738.91 5084.8,2727.5 ccw(c5086.11,2726.19) 5084.8,2724.88 5095.27,2714.42 ccw(c5096.57,2715.73) 5097.88,2714.42 5109.3,2725.83 5114.89,2731.43 cw(c5116.2,2730.12) 5117.51,2731.43 5127.97,2720.96 cw(c5126.67,2719.65) 5127.97,2718.35 5122.38,2712.75 5110.96,2701.34 ccw(c5112.27,2700.03) 5110.96,2698.72 5121.43,2688.26 ccw(c5122.74,2689.56) 5124.05,2688.26 5134.15,2698.36 cw(c5135.46,2697.05) 5136.77,2698.36 5142,2693.13 5142,2675.41 5174.33,2643.08 U7.E2@5198.47,2643.08
SRAM-DQ13: U1.D3 U7.F2 | length 403.5
  Top Layer w3.5: U1.D3@4896,2883.45 4919.7,2883.45 4989.99,2813.16 4989.99,2789.77 5157.56,2622.2 U7.F2@5177.59,2622.2
SRAM-DQ14: U1.E3 U7.F1 | length 414.7
  Top Layer w3.5: U1.E3@4923.84,2911.29 4923.84,2889.22 4999,2814.05 4999,2800.79 5005.65,2794.14 cw(c5003.99,2792.48) 5005.65,2790.82 5003.9,2789.08 ccw(c5005.57,2787.41) 5003.9,2785.75 5017.2,2772.46 ccw(c5018.86,2774.12) 5020.52,2772.46 5022.26,2774.2 cw(c5023.93,2772.54) 5025.59,2774.2 5038.88,2760.91 cw(c5037.22,2759.25) 5038.88,2757.58 5037.14,2755.84 ccw(c5038.8,2754.18) 5037.14,2752.52 5050.43,2739.22 ccw(c5052.09,2740.89) 5053.76,2739.22 5055.5,2740.97 cw(c5057.16,2739.31) 5058.82,2740.97 5072.11,2727.67 cw(c5070.45,2726.01) 5072.11,2724.35 5070.37,2722.61 ccw(c5072.03,2720.95) 5070.37,2719.28 5083.67,2705.99 ccw(c5085.33,2707.65) 5086.99,2705.99 5088.73,2707.73 cw(c5090.39,2706.07) 5092.06,2707.73 5105.35,2694.44 cw(c5103.69,2692.78) 5105.35,2691.12 5103.61,2689.37 ccw(c5105.27,2687.71) 5103.61,2686.05 5116.9,2672.76 ccw(c5118.56,2674.42) 5120.22,2672.76 5123.63,2676.16 5125.83,2678.36 cw(c5127.49,2676.7) 5129.15,2678.36 5142.44,2665.07 cw(c5140.78,2663.4) 5142.44,2661.74 5141.91,2661.21 ccw(c5143.57,2659.54) 5141.91,2657.88 5146.17,2653.62 U7.F1@5156.71,2643.08
SRAM-DQ15: U1.D1 U7.G1 | length 443.7
  Top Layer w3.5: U1.D1@4951.68,2827.77 4951.68,2806.35 4962.2,2795.83 ccw(c4963.51,2797.13) 4964.82,2795.83 4969.44,2800.45 cw(c4970.75,2799.14) 4972.06,2800.45 4982.52,2789.98 cw(c4981.21,2788.67) 4982.52,2787.36 4976.59,2781.44 4973.28,2778.13 ccw(c4974.59,2776.82) 4973.28,2775.51 4983.75,2765.04 ccw(c4985.06,2766.35) 4986.36,2765.04 4989.67,2768.36 4994.28,2772.96 cw(c4995.59,2771.66) 4996.9,2772.96 5007.36,2762.5 cw(c5006.06,2761.19) 5007.36,2759.88 5002.76,2755.27 4999.44,2751.96 ccw(c5000.75,2750.66) 4999.44,2749.35 5009.91,2738.88 ccw(c5011.22,2740.19) 5012.53,2738.88 5015.84,2742.19 5020.45,2746.8 cw(c5021.75,2745.49) 5023.06,2746.8 5033.53,2736.34 cw(c5032.22,2735.03) 5033.53,2733.72 5028.92,2729.11 5025.61,2725.8 ccw(c5026.92,2724.49) 5025.61,2723.18 5036.07,2712.72 ccw(c5037.38,2714.03) 5038.69,2712.72 5042,2716.03 5046.61,2720.64 cw(c5047.92,2719.33) 5049.22,2720.64 5059.69,2710.17 cw(c5058.38,2708.86) 5059.69,2707.56 5055.08,2702.95 5051.77,2699.64 ccw(c5053.08,2698.33) 5051.77,2697.02 5062.24,2686.56 ccw(c5063.54,2687.86) 5064.85,2686.56 5068.16,2689.87 5072.77,2694.48 cw(c5074.08,2693.17) 5075.39,2694.48 5085.85,2684.01 cw(c5084.54,2682.7) 5085.85,2681.39 5081.24,2676.79 5077.93,2673.47 ccw(c5079.24,2672.17) 5077.93,2670.86 5088.4,2660.39 ccw(c5089.71,2661.7) 5091.02,2660.39 5094.33,2663.7 5098.93,2668.31 cw(c5100.24,2667) 5101.55,2668.31 5112.02,2657.85 cw(c5110.71,2656.54) 5112.02,2655.23 5107.41,2650.62 5104.1,2647.31 ccw(c5105.4,2646) 5104.1,2644.7 5114.56,2634.23 ccw(c5115.87,2635.54) 5117.18,2634.23 5119.18,2636.23 cw(c5120.49,2634.92) 5121.8,2636.23 5127.03,2631 U7.G1@5135.83,2622.2
SRAM_CS: R63.2 U1.J3 U7.B5 | length 614.5
  Top Layer w3.5: U1.J3@5035.19,3022.64 5057.27,3022.64 5206.07,2873.84 5256.22,2873.84 5362.22,2767.84 5362.22,2701.84 v1(5323.74,2663.36) U7.B5@5323.74,2643.08
  Bottom Layer w3.5: v1(5323.74,2663.36) 5343.98,2643.12 R63.2@5343.98,2630.48
SRAM_OE: R65.2 U1.G4 U7.A2 | length 490.9
  Top Layer w3.5: U1.G4@4951.68,2994.81 4974.39,2994.81 5148.36,2820.84 5215.06,2820.84 v1(5258.06,2777.84) 5281.98,2753.92 U7.A2@5281.98,2726.6
  Bottom Layer w3.5: v1(5258.06,2777.84) 5276.05,2795.83 R65.2@5284.14,2795.83
SRAM_WR: R64.2 U1.C4 U7.G5 | length 701.4
  Top Layer w3.5: U1.C4@4840.32,2883.45 4840.32,2849.85 4796.88,2806.4 4796.88,2762.07 5035.95,2523 5182.61,2523 v1(5198.29,2538.68) U7.G5@5219.34,2538.68
  Bottom Layer w3.5: R64.2@5174.17,2514.83 5174.44,2514.83 v1(5198.29,2538.68)
TCK: JTAG1.6 R2.1 U1.L7 | length 1994.8
  Top Layer w3.5: U1.L7@4979.52,3189.68 v1(5007.36,3189.68) ; v1(6082.52,4260) JTAG1.6@6082.52,4319.54
  Bottom Layer w3.5: v1(5007.36,3189.68) 5018.24,3200.57 5018.24,3233.24 5393,3608 5791.9,3608 5814,3630.1 5814,4215 5825,4226 5883,4226 ; R2.1@5883.27,4199 5883.27,4225.73 5883,4226 ; v1(6082.52,4260) 6048,4260 6014,4226 5883,4226
TDI_FPGA: JTAG1.10 U1.N7 | length 1790.9
  Top Layer w3.5: v1(5007.36,3245.35) U1.N7@5035.19,3245.36 ; v1(5925,4260) JTAG1.10@5925.04,4319.54 JTAG1.10@5925.04,4319.54
  Bottom Layer w3.5: v1(5007.36,3245.35) 5007.36,3267.43 5371.93,3632 5772,3632 5783,3643 5783,4245 5798,4260 v1(5925,4260)
TDO_FPGA: JTAG1.8 U1.N8 | length 1823.7
  Top Layer w3.5: U1.N8@5007.36,3273.19 v1(5035.19,3273.19) ; JTAG1.8@6003.78,4319.54 6006,4317.31 v1(6006,4243)
  Bottom Layer w3.5: v1(5035.19,3273.19) 5383,3621 5781.43,3621 5799,3638.57 5799,4229 5813,4243 v1(6006,4243)
TMS: JTAG1.4 R1.1 U1.M7 | length 2032.2
  Top Layer w3.5: U1.M7@5007.36,3217.52 v1(5035.19,3217.52) ; v1(6161.26,4260) JTAG1.4@6161.26,4319.54
  Bottom Layer w3.5: v1(5035.19,3217.52) 5035.19,3240.29 5389.9,3595 5804,3595 5831,3622 5831,4158 5845,4172 6031,4172 6036,4177 6036,4199 ; R1.1@6009.73,4199 6036,4199 ; v1(6161.26,4260) 6145.65,4244.39 6046.39,4244.39 6036,4234 6036,4199
USB0_N: R27.1 USB1.2 | length 532.6
  Top Layer w10: USB1.2@3204,3605.41 3236.56,3605.41 3238,3603.97 v1(3247,3603.97)
  Bottom Layer w10: v1(3247,3603.97) 3250.95,3603.97 3255.56,3599.36 3342,3599.36 3584.81,3356.56 3612.51,3356.56 R27.1@3627.39,3341.67
USB0_P: R28.1 USB1.3 | length 519.7
  Top Layer w10: USB1.3@3204,3579.82 3236.56,3579.82 3238,3581.26 v1(3247,3581.26)
  Bottom Layer w10: v1(3247,3581.26) 3250.95,3581.26 3255.56,3585.86 3336.41,3585.86 3574.44,3347.84 3574.44,3323.62 R28.1@3591.39,3306.67
USB0D_N: R27.2 U5.H2 | length 121.4
  Top Layer w8: v1(3679.22,3290.84) 3716.13,3253.93 U5.H2@3716.13,3225.36
  Bottom Layer w8: R27.2@3654.06,3321.01 3654.06,3316.01 v1(3679.22,3290.84)
USB0D_P: R28.2 U5.H1 | length 100.3
  Top Layer w8: v1(3639.22,3256.84) 3650.58,3256.84 3663.74,3270 3671.48,3270 U5.H1@3688.29,3253.19
  Bottom Layer w8: R28.2@3609.99,3280.01 3616.06,3280.01 v1(3639.22,3256.84)
VBUS: C62.2 C63.2 D1.2 F1.2 HAT1.2 HAT1.4 USB1.1 | length 1600.2
  Top Layer w15: v4(3138,3631) USB1.1@3204,3631 3264,3631 3273,3640 v2(3273,3762.49) ; v2(3444.35,3964.22) 3475.67,3964.22 3481.17,3969.73 F1.2@3481.17,4035 3481.17,4084.17 3490,4093 3682.61,4093 3699.66,4110.05 3699.66,4281.66 3710,4292 HAT1.2@3758.5,4292
  Bottom Layer w15: C63.2@3093,3619.15 3126.15,3619.15 v4@3137,3630 ; v2(3273,3762.49) 3273,3938 3299.22,3964.22 v2(3444.35,3964.22) ; D1.2@3575.68,4302 3585.67,4292 3663.58,4292 ; C62.2@3663.58,4263.73 3663.58,4292 ; HAT1.4@3858.5,4292 HAT1.2@3758.5,4292 3663.58,4292
XADCGND: C7.2 L3.2 U1.G7 U1.H7 U1.H8 U1.J7 U1.J8 | length 217
  Top Layer w10: U1.G7@4868.16,3078.32 U1.H7@4896,3106.16 v1(4896,3134) ; U1.H8@4868.16,3134 v1(4896,3134) ; U1.J8@4896,3161.84 v1(4896,3134) ; U1.J7@4923.84,3134 v1(4896,3134)
  Bottom Layer w10: v1(4896,3134) 4896,3129.66 L3.2@4939.83,3085.83
XCLK: U1.F5 Y2.3 | length 295.2
  Top Layer w8: v1(4868.16,2994.81) U1.F5@4896,2994.81
  Bottom Layer w8: Y2.3@4699.74,2802.39 4708.54,2802.39 4840.32,2934.17 4840.32,2966.97 v1(4868.16,2994.81)
pads on no net: HAT1.0 JTAG1.12 LS1.0 SD*1.0 U5.A10 U5.B10 U5.C10 U5.M5 U7.E3 U7.H6 USB1.0 USB1.4 USB1.6 USB1.7 XTAL1.1 Y1.1 Y2.1

## Polygon pours and split planes (outlines as drawn)
GND on Bottom Layer "GND_L04_P004" (solid, remove dead copper, pour order 4): 3795,3935 3865.84,3935 3865.84,3869.03 3865.81,3869 3795,3869
no net on Bottom Layer "NONET_L04_P000" (solid, remove dead copper, pour order 0): 5092.16,3497.19
GND on GND Plane (split plane): 6260.21,4354.36 6265.56,4353.29 6270.72,4351.54 6275.61,4349.13 6280.14,4346.1 6284.24,4342.51 6287.83,4338.41 6290.86,4333.88 6293.27,4328.99 6295.03,4323.83 6296.09,4318.48 6296.41,4313.57 6296.36,4313.04 6296.36,2251.46 6296.42,2250.85 6296.07,2244.58 6294.91,2237.78 6293,2231.16 6290.37,2224.79 6287.03,2218.76 6283.05,2213.14 6278.45,2208 6273.32,2203.41 6267.7,2199.42 6261.66,2196.09 6255.3,2193.45 6248.67,2191.54 6241.88,2190.39 6235.6,2190.04 6235,2190.1 3030,2190.1 3029.5,2190.05 3024.78,2190.36 3019.65,2191.38 3014.7,2193.06 3010.01,2195.37 3005.66,2198.28 3001.73,2201.73 2998.28,2205.66 2995.37,2210.01 2993.06,2214.7 2991.38,2219.65 2990.36,2224.78 2990.05,2229.5 2990.1,2230 2990.1,4304.5 2990.05,4304.99 2990.34,4310.12 2991.28,4315.67 2992.84,4321.08 2994.99,4326.28 2997.72,4331.21 3000.97,4335.8 3004.73,4340 3008.92,4343.75 3013.51,4347.01 3018.44,4349.73 3023.64,4351.89 3029.05,4353.44 3034.6,4354.39 3039.73,4354.68 3040.22,4354.63 6254.78,4354.63 6255.3,4354.68
3V3 on 3V3 Plane (split plane): 6260.21,4354.36 6265.56,4353.29 6270.72,4351.54 6275.61,4349.13 6280.14,4346.1 6284.24,4342.51 6287.83,4338.41 6290.86,4333.88 6293.27,4328.99 6295.03,4323.83 6296.09,4318.48 6296.41,4313.57 6296.36,4313.04 6296.36,2251.46 6296.42,2250.85 6296.07,2244.58 6294.91,2237.78 6293,2231.16 6290.37,2224.79 6287.03,2218.76 6283.05,2213.14 6278.45,2208 6273.32,2203.41 6267.7,2199.42 6261.66,2196.09 6255.3,2193.45 6248.67,2191.54 6241.88,2190.39 6235.6,2190.04 6235,2190.1 3030,2190.1 3029.5,2190.05 3024.78,2190.36 3019.65,2191.38 3014.7,2193.06 3010.01,2195.37 3005.66,2198.28 3001.73,2201.73 2998.28,2205.66 2995.37,2210.01 2993.06,2214.7 2991.38,2219.65 2990.36,2224.78 2990.05,2229.5 2990.1,2230 2990.1,4304.5 2990.05,4304.99 2990.34,4310.12 2991.28,4315.67 2992.84,4321.08 2994.99,4326.28 2997.72,4331.21 3000.97,4335.8 3004.73,4340 3008.92,4343.75 3013.51,4347.01 3018.44,4349.73 3023.64,4351.89 3029.05,4353.44 3034.6,4354.39 3039.73,4354.68 3040.22,4354.63 6254.78,4354.63 6255.3,4354.68

## Keep-outs
Keep-Out Layer:
  lines w10: 6230,2169.84 3046,2169.84 cw(c3038.08,2237.92) 2970,2230 2970,4304.5 cw(c3040.22,4304.5) 3040.22,4374.72 6254.78,4374.72 cw(c6254.78,4313.04) 6316.46,4313.04 6316.46,2251.46 cw(c6235,2251.46) 6235,2170

## Silkscreen, mask and mechanical layers (free items; w line width, h text height)
Top Overlay:
  drawing of 3630 lines, arcs and shapes, not listed
  text "PTE6" at 3157,4291 h30 r90
  text "PTE7" at 3182.56,4291.39 h30 r90
  text "JLCJLCJLCJLC" at 3277,4279.27 h50
  text "PTE8" at 3182.78,4189.59 h30 r90
  text "PTE9" at 3157,4189.33 h30 r90
  text "3V3" at 6039,4187 h40
  text "VBUS" at 3716,4107 h40
  text "VBUS" at 3817.89,4107 h40
  text "GND" at 3935.79,4107 h40
  text "N14" at 4034.68,4107 h40
  text "N13" at 4135.58,4106.96 h40
  text "P15" at 4236.51,4107 h40
  text "GND" at 4343.37,4107 h40
  text "T15" at 4435.26,4107 h40
  text "T14" at 4537.16,4107 h40
  text "GND" at 4636.05,4107 h40
  text "T13" at 4734.95,4106.96 h40
  text "R12" at 4836.84,4106.81 h40
  text "T12" at 4938.74,4106.81 h40
  text "P11" at 5040.67,4107 h40
  text "GND" at 5142.52,4107 h40
  text "T10" at 5244.42,4106.85 h40
  text "GND" at 5346.31,4107 h40
  text "P9" at 5448.25,4106.85 h40
  text "T8" at 5550.1,4107 h40
  text "R8" at 5652,4107 h40
  text "GND" at 5705,4096 h40
  text "PTE10" at 3157.06,4087.67 h30 r90
  text "PTE11" at 3182.78,4087.8 h30 r90
  text "GND" at 6039,4085.01 h40
  text "3V3" at 3716,4065.11 h40
  text "M16" at 3829,4065 h40
  text "M14" at 3935.81,4065.15 h40
  text "N16" at 4034.71,4065.15 h40
  text "GND" at 4135.61,4065.15 h40
  text "P16" at 4236.55,4065.15 h40
  text "R16" at 4343.42,4065.15 h40
  text "R15" at 4435.32,4065.15 h40
  text "3V3" at 4537.22,4065.11 h40
  text "P14" at 4636.16,4065.15 h40
  text "P13" at 4735.06,4065.11 h40
  text "R13" at 4836.93,4065.11 h40
  text "GND" at 4938.83,4065.15 h40
  text "N12" at 5040.74,4064.96 h40
  text "R11" at 5142.64,4065.15 h40
  text "P10" at 5244.58,4065 h40
  text "R10" at 5346.44,4065 h40
  text "T9" at 5448.35,4065 h40
  text "N9" at 5550.25,4065 h40
  text "3V3" at 5161.19,3994.91 h40 r90
  text "K13" at 5211.38,3994.91 h40 r90
  text "PTE28" at 3157,3986 h30 r90
  text "PTE12" at 3182.92,3986 h30 r90
  text "QSPI" at 5795,3919 h60 r90
  text ">" at 3543.44,3905.75 h40 r180
  text "GND" at 3186,3901 h30 r90
  text "P6" at 6011.9,3829.73 h40
  text "P8" at 6052.63,3829.73 h40
  text "JTAG" at 5885,3824.81 h60 r90
  text "3V3" at 3186,3805.15 h30 r90
  text ">" at 4116.3,3801 h40 r180
  text "R5" at 6011.87,3793.82 h40
  text "T7" at 6052.59,3793.53 h40
  text "T5" at 6011.87,3757.91 h40
  text "R7" at 6052.59,3757.61 h40
  text "L14" at 5161.19,3738 h40 r90
  text "L13" at 5211.39,3738 h40 r90
  text "M12" at 5293.77,3736 h40
  text "X" at 5470,3723 h40 r180
  text "X" at 5574.64,3723 h40 r180
  text "M6" at 6011.87,3722 h40
  text "R6" at 6052.59,3722 h40
  text "CPU" at 5798,3711.74 h60 r90
  text ">" at 4348.32,3693.2 h40 r90
  text ">" at 4213,3691 h40 r90
  text "X" at 5470,3672 h40 r180
  text "X" at 5574.64,3672.25 h40 r180
  text "K12" at 5119,3625.01 h40 r90
  text "X" at 5470,3619 h40 r180
  text "X" at 5574.64,3619 h40 r180
  text "P5" at 5805.49,3490 h40
  text "3V3" at 6039,3479 h40
  text "N4" at 5804,3440.1 h40
  text "GND" at 6039,3401.84 h40
  text "PTE27" at 3259.64,3334 h30 r90
  text "ADC" at 3186,3316.01 h30 r90
  text ">" at 4203.61,3276 h40 r270
  text ">" at 4343.17,3275.4 h40 r270
  text "ADC" at 3186,3218.39 h30 r90
  text "T3" at 6011.87,3138.83 h40
  text "T4" at 6052.59,3138.87 h40
  text "L5" at 5507.24,3125.14 h40
  text "ADC" at 3186,3120.78 h30 r90
  text "R3" at 6011.87,3099.9 h40
  text "M5" at 6053.74,3100.21 h40
  text "T2" at 6011.83,3060.75 h40
  text "P4" at 6052.93,3060.96 h40
  text "L4" at 5507.24,3038.87 h40
  text "ADC" at 3186,3023.16 h30 r90
  text "R2" at 6011.83,3021.82 h40
  text "M4" at 6052.3,3022 h40
  text "GND" at 3186,2925.55 h30 r90
  text "3V3" at 3186,2827.93 h30 r90
  text "PTE26" at 4206.47,2777.92 h40
  text "3V3" at 6039,2762 h40
  text "ADC" at 3186,2699 h30 r90
  text "GND" at 6039,2684 h40
  text "PTE24" at 3133,2630 h30
  text "ADC" at 3138,2569 h30
  text "PTA6" at 3527,2546 h40
  text "DAC" at 3182.78,2495 h30 r90
  text "N2" at 6012.24,2490.04 h40
  text "R1" at 6059.77,2490 h40
  text "PTE25" at 3157,2483 h30 r90
  text "N1" at 6012.24,2450.17 h40
  text "P3" at 6054.48,2450.44 h40
  text "M2" at 6012.24,2410.43 h40
  text "P1" at 6060.1,2410.43 h40
  text "DAC" at 3182.78,2406.9 h30 r90
  text "PTA7" at 3527,2406 h40
  text "RTCW" at 3157,2394 h30 r90
  text "3V3" at 4152,2387.97 h30
  text "PTB3" at 4200.55,2387.97 h30
  text "PTB2" at 4261,2387.86 h30
  text "D6" at 4324.6,2388 h30
  text "D5" at 4371,2388.22 h30
  text "GND" at 4414.65,2388 h30
  text "B7" at 4472.61,2388.22 h30
  text "A7" at 4520,2388 h30
  text "GND" at 4565,2388 h30
  text "C7" at 4622.23,2388 h30
  text "C6" at 4670.64,2388 h30
  text "GND" at 4714.7,2388 h30
  text "B6" at 4771.67,2388 h30
  text "B5" at 4822,2388.22 h30
  text "GND" at 4865.87,2388 h30
  text "M1" at 6012.24,2370.7 h40
  text "N3" at 6054,2370.86 h40
  text "PTA5" at 3707,2359 h30
  text "PTA14" at 3811.27,2358.78 h30
  text "PTA9" at 3915.55,2359 h30
  text "PTA8" at 4019.82,2359 h30
  text "PTA16" at 4427,2359 h30
  text "PTA12" at 4526.94,2358.78 h30
  text "PTA27" at 4626.89,2358.78 h30
  text "PTA13" at 4726.83,2358.94 h30
  text "PTB0" at 5151.03,2358.94 h30
  text "PTB1" at 5252.35,2358.78 h30
  text "PTB4" at 5353.68,2358.78 h30
  text "PTB5" at 5455,2359 h30
  text "GND" at 4119,2353 h30
  text "3V3" at 4220,2353 h30
  text "GND" at 4842.63,2353.03 h30
  text "3V3" at 4945,2353 h30
  text "GND" at 5567,2353 h30
  text "3V3" at 5667,2353 h30
  text "PTA10" at 3707,2325.94 h30
  text "PTA11" at 3806.33,2325.78 h30
  text "PTA19" at 3905.67,2326 h30
  text "PTA15" at 4005,2326 h30
  text "PTA24" at 4427,2325.78 h30
  text "PTA17" at 4526.61,2325.78 h30
  text "PTA25" at 4626.22,2326 h30
  text "PTA26" at 4725.84,2326 h30
  text "PTA28" at 5151.03,2326 h30
  text "PTA29" at 5262.27,2326 h30
  text "E5" at 5373.51,2326 h30
  text "K5" at 5484.72,2326 h30
  text "GND" at 3186,2298.53 h30 r90
  text "3V3" at 3186,2201 h30 r90

## Text inside footprints (layer, text, board x,y; h text height)
LS1: Top Overlay "+" at 5312,3843 h30